# Altium PCB Graviton-RB1.PcbDoc (part 9 of 11)
Units mil, origin at the board's own origin, x right, y up, seen from the top; angles counter-clockwise.
Board outline 7874.02 x 7874.02 mil, 10 copper layers (Top Layer, Internal Plane 1, Signal Layer 1, Internal Plane 2, Signal Layer 2, Signal Layer 3, Internal Plane 3, Signal Layer 4, Internal Plane 4, Bottom Layer), stack 65.914 mil thick; 1299 components, 1517 nets, 7968 pads, 1791 vias.
Unrouted connection lines stored in the file: 4618.
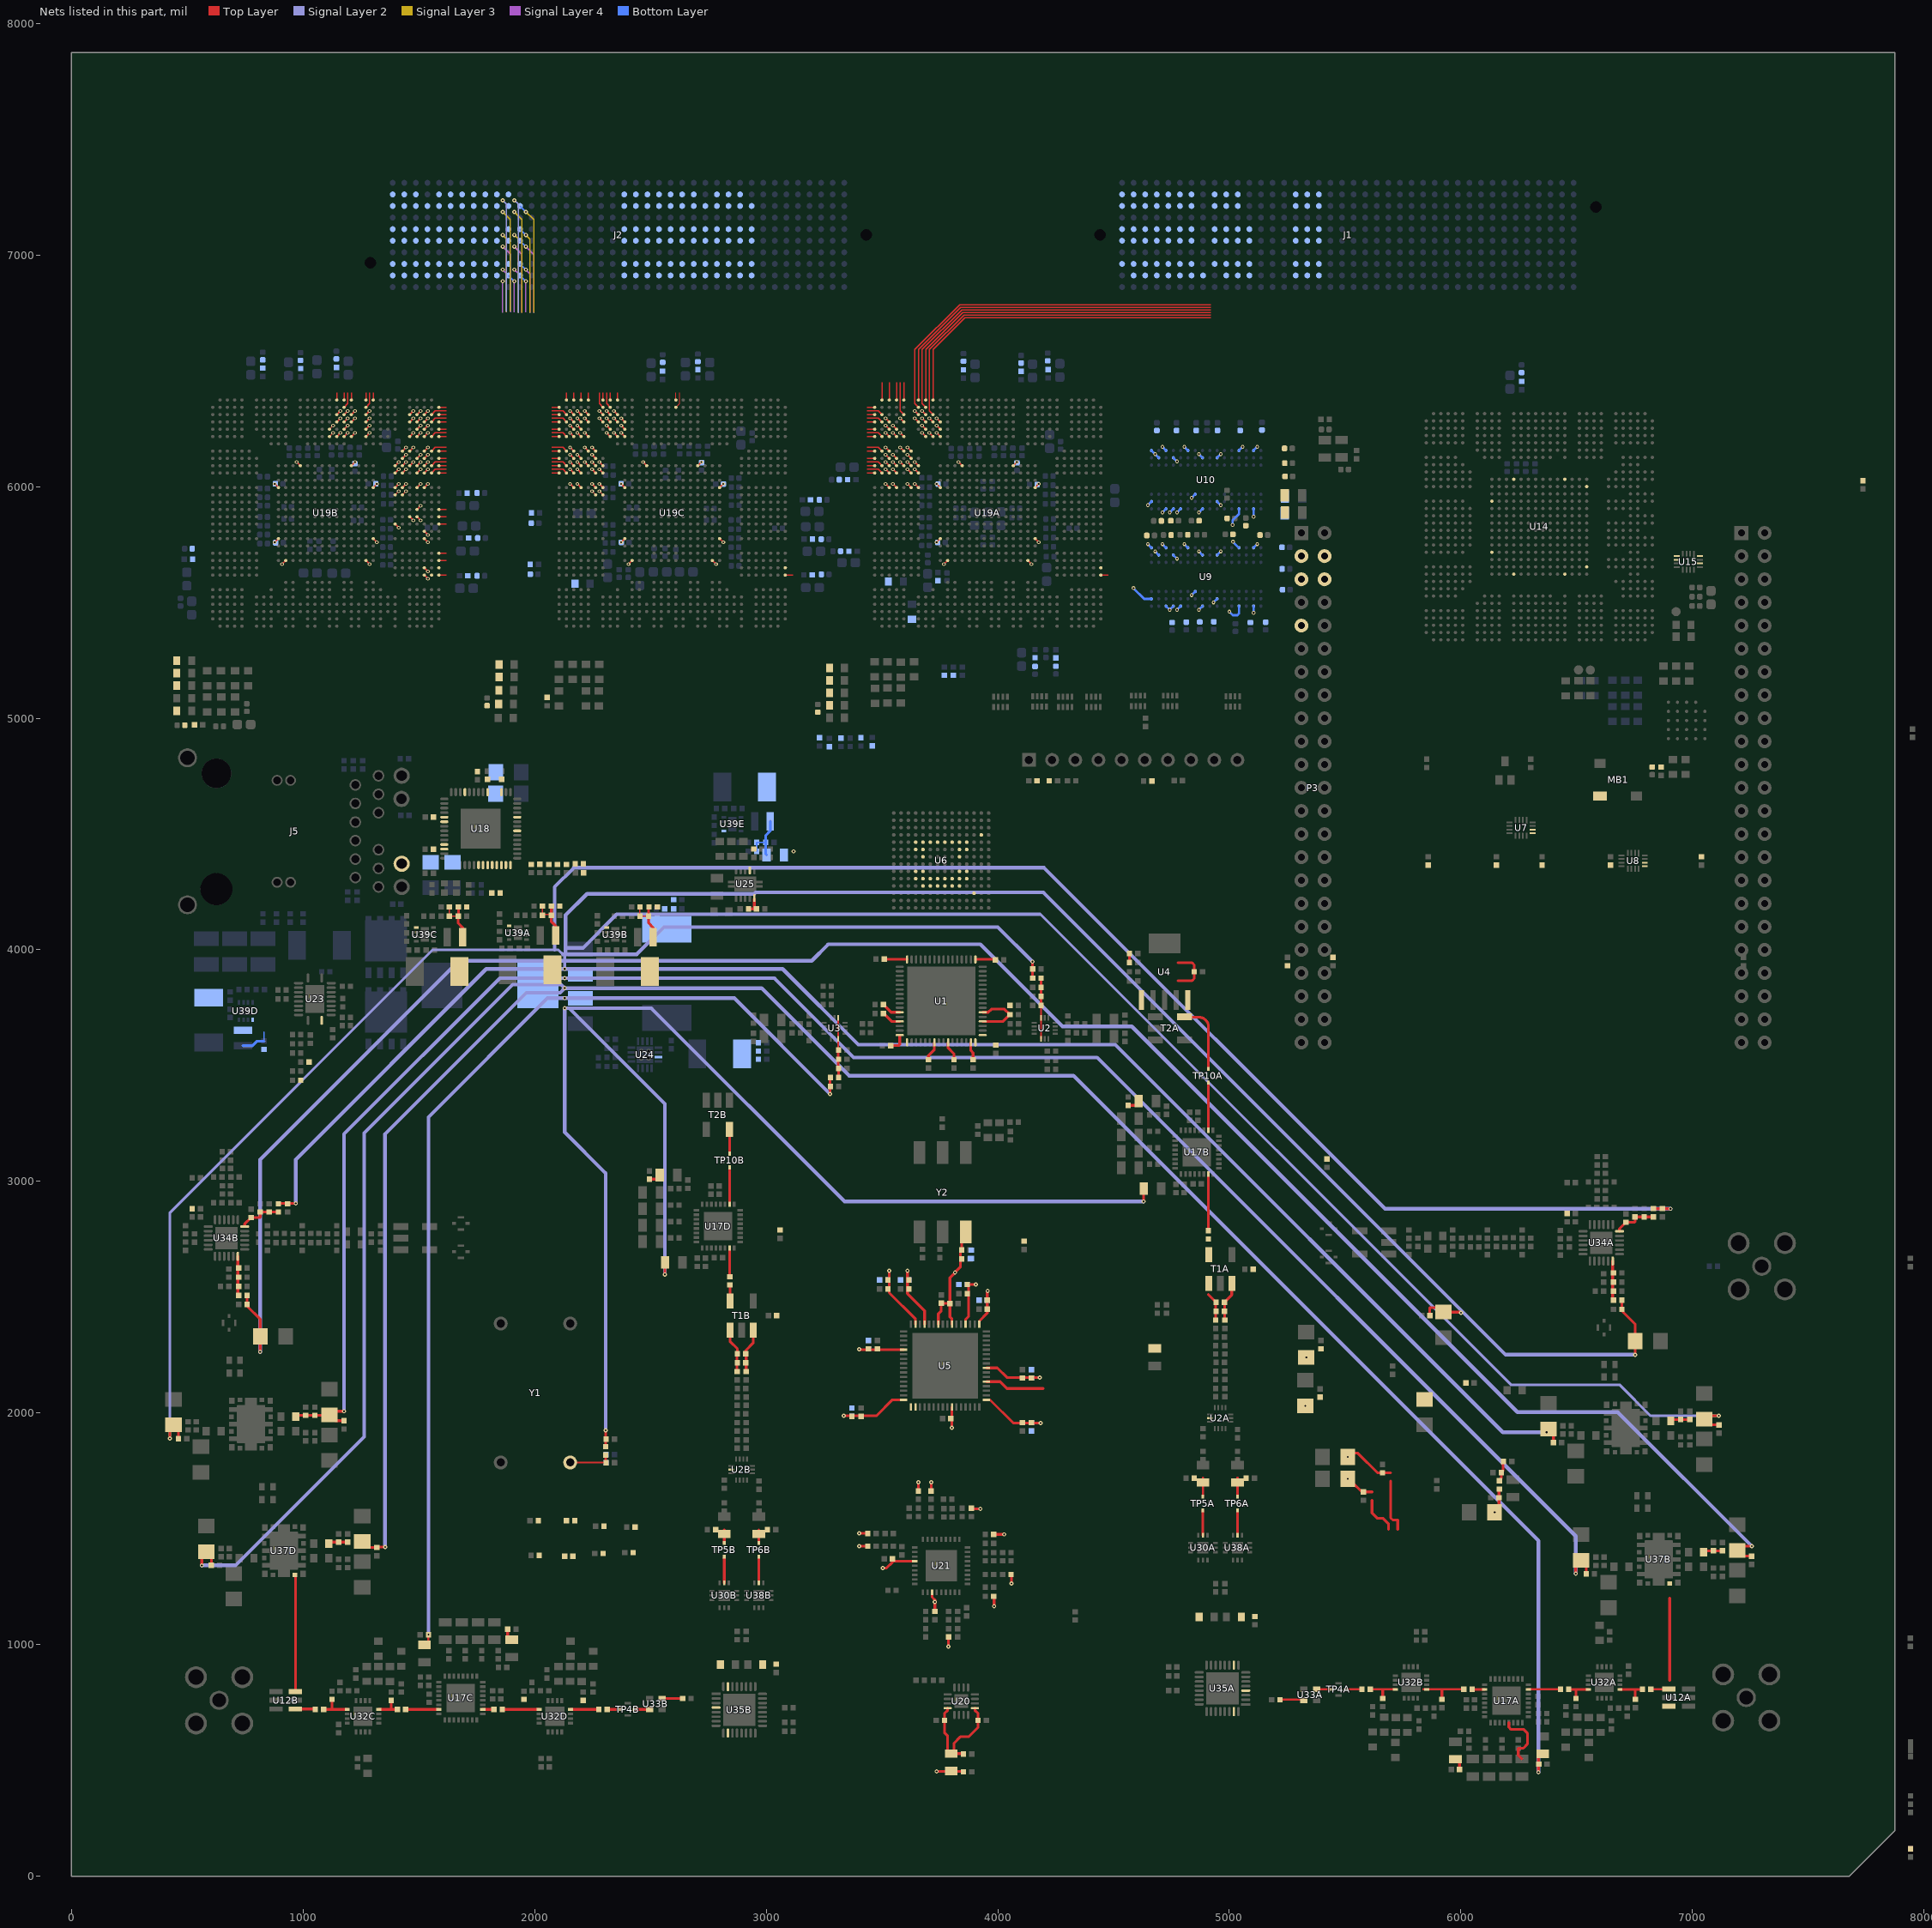
[diagram p17: the nets of this part, all layers, seen from the top]

## Via types
v1: diameter 16, hole 8, Top Layer to Bottom Layer, 1443 vias
v2: diameter 16, hole 8, Top Layer to Bottom Layer, tented top, 173 vias
v3: diameter 18, hole 8, Top Layer to Bottom Layer, 86 vias
v4: diameter 25.98, hole 8, Top Layer to Bottom Layer, tented top, 36 vias
v5: diameter 25.98, hole 12, Top Layer to Bottom Layer, tented top, 36 vias
v6: diameter 23.62, hole 11.81, Top Layer to Bottom Layer, 10 vias
v7: diameter 18, hole 8, Top Layer to Bottom Layer, tented bottom, 5 vias
v8: diameter 16, hole 8, Top Layer to Bottom Layer, tented both sides, 2 vias

## Nets (pads, with @x,y where several pads share a name; then routed paths per layer and width w, separated by ;. In a path a pad name is that pad's centre, name@x,y a point inside that pad or via, vN(x,y) a via of type N, cw(c..) or ccw(c..) an arc to the next point about the centre after c; other vN are vias at no path point) (continued)
P1B.DDRCC.S5: J1.329 U19A.E4 | length 22.3
  Top Layer w5: v1(3547.24,6263.78) U19A.E4@3562.99,6248.03
P1B.DDRCC.S6: J1.332 U19A.F4 | length 22.3
  Top Layer w5: v1(3547.24,6232.28) U19A.F4@3562.99,6216.54
P1B.DDRCC.S7: J1.333 U19A.F5 | length 22.3
  Top Layer w5: v1(3578.74,6232.28) U19A.F5@3594.49,6216.54
P1B.DDRCC.S8: J1.335 U19A.B1 | length 32.1
  Top Layer w4.72: 3436.42,6342.52 U19A.B1@3468.5,6342.52
P1B.DDRCC.S9: J1.336 U19A.C2 | length 70.1
  Top Layer w4.72: 3436.42,6326.77 3484.25,6326.77 U19A.C2@3500,6311.02
P1B.DDRCC.S10: J1.338 U19A.D3 | length 22.3
  Top Layer w5: v1(3515.75,6295.28) U19A.D3@3531.5,6279.53
P1B.DDRCC.S11: J1.339 U19A.D2 | length 70.1
  Top Layer w4.72: 3436.42,6295.28 3484.25,6295.28 U19A.D2@3500,6279.53
P1B.DDRCC.S12: J1.342 U19A.F3 | length 22.3
  Top Layer w5: v1(3515.75,6232.28) U19A.F3@3531.5,6216.54
P1B.DDRCC.S13: J1.343 U19A.E3 | length 22.3
  Top Layer w5: v1(3515.75,6263.78) U19A.E3@3531.5,6248.03
P1B.DDRCC.S14: J1.345 U19A.C1 | length 32.1
  Top Layer w4.72: 3436.42,6311.02 U19A.C1@3468.5,6311.02
P1B.DDRCC.S15: J1.346 U19A.D1 | length 32.1
  Top Layer w4.72: 3436.42,6279.53 U19A.D1@3468.5,6279.53
P1B.DDRCC.S16: J1.348 U19A.F2 | length 70.1
  Top Layer w4.72: 3436.42,6232.28 3484.25,6232.28 U19A.F2@3500,6216.54
P1B.DDRCC.S17: J1.349 U19A.E1 | length 32.1
  Top Layer w4.72: 3436.42,6248.03 U19A.E1@3468.5,6248.03
P1B.DDRCC.S18: J1.352 U19A.F1 | length 32.1
  Top Layer w4.72: 3436.42,6216.54 U19A.F1@3468.5,6216.54
P1B.DDRCC.S19: J1.353 U19A.H1 | length 32.1
  Top Layer w4.72: 3436.42,6153.54 U19A.H1@3468.5,6153.54
P1B.DDRCC.S20: J1.355 U19A.H2 | length 70.1
  Top Layer w4.72: 3436.42,6169.29 3484.25,6169.29 U19A.H2@3500,6153.54
P1B.DDRCC.S21: J1.356 U19A.H3 | length 22.3
  Top Layer w5: v1(3515.75,6169.29) U19A.H3@3531.5,6153.54
P1B.DDRCC.S22: J1.358 U19A.J3 | length 22.3
  Top Layer w5: v1(3515.75,6137.8) U19A.J3@3531.5,6122.05
P1B.DDRCC.S23: J1.359 U19A.K3 | length 22.3
  Top Layer w5: v1(3515.75,6106.3) U19A.K3@3531.5,6090.55
P1B.DDRCC.S24: J1.362 U19A.K2 | length 70.1
  Top Layer w4.72: 3436.42,6106.3 3484.25,6106.3 U19A.K2@3500,6090.55
P1B.DDRCC.S25: J1.363 U19A.J1 | length 32.1
  Top Layer w4.72: 3436.42,6122.05 U19A.J1@3468.5,6122.05
P1B.DDRCC.S26: J1.365 U19A.K1 | length 32.1
  Top Layer w4.72: 3436.42,6090.55 U19A.K1@3468.5,6090.55
P1B.DDRCC.S27: J1.366 U19A.L1 | length 32.1
  Top Layer w4.72: 3436.42,6059.06 U19A.L1@3468.5,6059.06
P1B.DDRCC.S28: J1.368 U19A.L2 | length 70.1
  Top Layer w4.72: 3436.42,6074.8 3484.25,6074.8 U19A.L2@3500,6059.06
P1B.DDRCC.S29: J1.369 U19A.L3 | length 22.3
  Top Layer w5: v1(3515.75,6074.8) U19A.L3@3531.5,6059.06
P1B.DDRCC.S30: J1.372 U19A.J4 | length 22.3
  Top Layer w5: v1(3547.24,6137.8) U19A.J4@3562.99,6122.05
P1B.DDRCC.S31: J1.373 U19A.K4 | length 22.3
  Top Layer w5: v1(3547.24,6106.3) U19A.K4@3562.99,6090.55
P1B.DDRCC.S32: J1.375 U19A.H6 | length 22.3
  Top Layer w5: v1(3610.24,6169.29) U19A.H6@3625.98,6153.54
P1B.DDRCC.S33: J1.376 U19A.H5 | length 22.3
  Top Layer w5: v1(3578.74,6169.29) U19A.H5@3594.49,6153.54
P1B.DDRCC.S34: J1.378 U19A.J6 | length 22.3
  Top Layer w5: v1(3610.24,6137.8) U19A.J6@3625.98,6122.05
P1B.DDRCC.S35: J1.379 U19A.K6 | length 22.3
  Top Layer w5: v1(3610.24,6106.3) U19A.K6@3625.98,6090.55
P1B.DDRCC.S36: J1.382 U19A.K7 | length 22.3
  Top Layer w5: v1(3641.73,6106.3) U19A.K7@3657.48,6090.55
P1B.DDRCC.S37: J1.383 U19A.K5 | length 22.3
  Top Layer w5: v1(3578.74,6106.3) U19A.K5@3594.49,6090.55
P1B.DDRCC.S38: J1.385 U19A.L4 | length 22.3
  Top Layer w5: v1(3547.24,6074.8) U19A.L4@3562.99,6059.06
P1B.DDRCC.S39: J1.386 U19A.N3 | length 22.3
  Top Layer w5: v1(3515.75,6011.81) U19A.N3@3531.5,5996.06
P1B.DDRCC.S40: J1.388 U19A.N4 | length 22.3
  Top Layer w5: v1(3547.24,6011.81) U19A.N4@3562.99,5996.06
P1B.DDRCC.S41: J1.389 U19A.L7 | length 22.3
  Top Layer w5: v1(3641.73,6074.8) U19A.L7@3657.48,6059.06
P1B.DDRCC.S42: J1.392 U19A.L6 | length 22.3
  Top Layer w5: v1(3610.24,6074.8) U19A.L6@3625.98,6059.06
P1B.DDRCC.S43: J1.393 U19A.N6 | length 22.3
  Top Layer w5: v1(3610.24,6011.81) U19A.N6@3625.98,5996.06
P1B.DDRCC.S44: J1.395 U19A.N7 | length 22.3
  Top Layer w5: v1(3641.73,6011.81) U19A.N7@3657.48,5996.06
P1B.DDRCC.S45: J1.396 U19A.C5 | length 145.5
  Top Layer w5: 3578.74,6450 3578.74,6326.77 U19A.C5@3594.49,6311.02
P1B.DDRCC.S46: J1.398 U19A.D5 | length 22.3
  Top Layer w5: v1(3578.74,6295.28) U19A.D5@3594.49,6279.53
P1B.SDRCC.S2: J1.285 U19A.A2 | length 76
  Top Layer w4.72: U19A.A2@3500,6374.02 3500,6450
P1B.SDRCC.S3: J1.286 U19A.A3 | length 76
  Top Layer w4.72: U19A.A3@3531.5,6374.02 3531.5,6450
P1B.SDRCC.S4: J1.288 U19A.A4 | length 76
  Top Layer w4.72: U19A.A4@3562.99,6374.02 3562.99,6450
P1B.SDRCC.S5: J1.289 U19A.A5 | length 76
  Top Layer w4.72: U19A.A5@3594.49,6374.02 3594.49,6450
P1B.SDRCC.S6: J1.292 U19A.D7 | length 22.3
  Top Layer w5: v1(3641.73,6295.28) U19A.D7@3657.48,6279.53
P1B.SDRCC.S7: J1.293 U19A.C7 | length 22.3
  Top Layer w5: v1(3641.73,6326.77) U19A.C7@3657.48,6311.02
P1B.SDRCC.S8: J1.295 U19A.B7 | length 1614.3
  Top Layer w4.72: U19A.B7@3657.48,6342.52 3641.73,6358.27 3641.73,6591.73 3835.68,6785.68 4920,6785.68
P1B.SDRCC.S9: J1.296 U19A.A7 | length 1556
  Top Layer w4.72: U19A.A7@3657.48,6374.02 3657.48,6591.73 3840.29,6774.54 4920,6774.54
P1B.SDRCC.S10: J1.298 U19A.F8 | length 22.3
  Top Layer w5: v1(3673.23,6232.28) U19A.F8@3688.98,6216.54
P1B.SDRCC.S11: J1.299 U19A.E8 | length 22.3
  Top Layer w5: v1(3673.23,6263.78) U19A.E8@3688.98,6248.03
P1B.SDRCC.S12: J1.302 U19A.D8 | length 22.3
  Top Layer w5: v1(3673.23,6295.28) U19A.D8@3688.98,6279.53
P1B.SDRCC.S13: J1.303 U19A.C8 | length 22.3
  Top Layer w5: v1(3673.23,6326.77) U19A.C8@3688.98,6311.02
P1B.SDRCC.S14: J1.305 U19A.B8 | length 1573.6
  Top Layer w4.72: U19A.B8@3688.98,6342.52 3673.23,6358.27 3673.23,6591.73 3844.9,6763.41 4920,6763.41
P1B.SDRCC.S15: J1.306 U19A.A8 | length 1515.2
  Top Layer w4.72: U19A.A8@3688.98,6374.02 3688.98,6591.73 3849.52,6752.27 4920,6752.27
P1B.SDRCC.S16: J1.308 U19A.F9 | length 22.3
  Top Layer w5: v1(3704.72,6232.28) U19A.F9@3720.47,6216.54
P1B.SDRCC.S17: J1.309 U19A.D9 | length 22.3
  Top Layer w5: v1(3704.72,6295.28) U19A.D9@3720.47,6279.53
P1B.SDRCC.S18: J1.312 U19A.C9 | length 1564.4
  Top Layer w5: U19A.C9@3720.47,6311.02 3704.72,6326.77 3704.72,6591.73 3854.13,6741.14 4920,6741.14
P1B.SDRCC.S19: J1.313 U19A.A9 | length 1474.5
  Top Layer w4.72: U19A.A9@3720.47,6374.02 3720.47,6591.73 3858.74,6730 4920,6730
P1B.SDRCC.S20: J1.315 U19A.F10 | length 22.3
  Top Layer w5: v1(3736.22,6232.28) U19A.F10@3751.97,6216.54
P1B.SDRCC.S21: J1.316 U19A.E10 | length 22.3
  Top Layer w5: v1(3736.22,6263.78) U19A.E10@3751.97,6248.03
P1B.SDRCC.S22: J1.318 U19A.D10 | length 22.3
  Top Layer w5: v1(3736.22,6295.28) U19A.D10@3751.97,6279.53
P2A-DDRCCCLK_N: J2.43 U19B.P26 | length 22.3
  Top Layer w2.99: U19B.P26@1397.64,5964.57 v1(1413.39,5980.32)
P2A-DDRCCCLK_P: J2.42 U19B.P27 | length 22.3
  Top Layer w2.99: U19B.P27@1429.13,5964.57 v1(1444.88,5980.32)
P2A-SDRCCCLK_N: J2.3 U19B.F17 | length 22.3
  Top Layer w2.99: U19B.F17@1114.17,6216.54 v1(1129.92,6232.28)
P2A-SDRCCCLK_P: J2.2 U19B.E17 | length 22.3
  Top Layer w2.99: U19B.E17@1114.17,6248.03 v1(1129.92,6263.78)
P2A.DDRCC.S2: J2.45 U19B.N26 | length 22.3
  Top Layer w5: U19B.N26@1397.64,5996.06 v1(1413.39,6011.81)
P2A.DDRCC.S3: J2.46 U19B.N27 | length 22.3
  Top Layer w5: U19B.N27@1429.13,5996.06 v1(1444.88,6011.81)
P2A.DDRCC.S4: J2.48 U19B.L27 | length 22.3
  Top Layer w5: U19B.L27@1429.13,6059.06 v1(1444.88,6074.8)
P2A.DDRCC.S5: J2.49 U19B.L26 | length 22.3
  Top Layer w5: U19B.L26@1397.64,6059.06 v1(1413.39,6074.8)
P2A.DDRCC.S6: J2.59 U19B.N29 | length 22.3
  Top Layer w5: U19B.N29@1492.13,5996.06 v1(1507.87,6011.81)
P2A.DDRCC.S7: J2.58 U19B.N30 | length 22.3
  Top Layer w5: U19B.N30@1523.62,5996.06 v1(1539.37,6011.81)
P2A.DDRCC.S8: J2.56 U19B.L29 | length 22.3
  Top Layer w5: U19B.L29@1492.13,6059.06 v1(1507.87,6074.8)
P2A.DDRCC.S9: J2.55 U19B.K28 | length 22.3
  Top Layer w5: U19B.K28@1460.63,6090.55 v1(1476.38,6106.3)
P2A.DDRCC.S10: J2.53 U19B.K26 | length 22.3
  Top Layer w5: U19B.K26@1397.64,6090.55 v1(1413.39,6106.3)
P2A.DDRCC.S11: J2.52 U19B.K27 | length 22.3
  Top Layer w5: U19B.K27@1429.13,6090.55 v1(1444.88,6106.3)
P2A.DDRCC.S12: J2.62 U19B.J27 | length 22.3
  Top Layer w5: U19B.J27@1429.13,6122.05 v1(1444.88,6137.8)
P2A.DDRCC.S13: J2.63 U19B.H28 | length 22.3
  Top Layer w5: U19B.H28@1460.63,6153.54 v1(1476.38,6169.29)
P2A.DDRCC.S14: J2.65 U19B.H27 | length 22.3
  Top Layer w5: U19B.H27@1429.13,6153.54 v1(1444.88,6169.29)
P2A.DDRCC.S15: J2.66 U19B.K29 | length 22.3
  Top Layer w5: U19B.K29@1492.13,6090.55 v1(1507.87,6106.3)
P2A.DDRCC.S16: J2.68 U19B.J29 | length 22.3
  Top Layer w5: U19B.J29@1492.13,6122.05 v1(1507.87,6137.8)
P2A.DDRCC.S17: J2.69 U19B.L30 | length 22.3
  Top Layer w5: U19B.L30@1523.62,6059.06 v1(1539.37,6074.8)
P2A.DDRCC.S18: J2.72 U19B.L31 | length 70.1
  Top Layer w4.72: U19B.L31@1555.12,6059.06 1570.87,6074.8 1618.7,6074.8
P2A.DDRCC.S19: J2.73 U19B.L32 | length 32.1
  Top Layer w4.72: U19B.L32@1586.61,6059.06 1618.7,6059.06
P2A.DDRCC.S20: J2.75 U19B.K32 | length 32.1
  Top Layer w4.72: U19B.K32@1586.61,6090.55 1618.7,6090.55
P2A.DDRCC.S21: J2.76 U19B.J32 | length 32.1
  Top Layer w4.72: U19B.J32@1586.61,6122.05 1618.7,6122.05
P2A.DDRCC.S22: J2.78 U19B.K31 | length 70.1
  Top Layer w4.72: U19B.K31@1555.12,6090.55 1570.87,6106.3 1618.7,6106.3
P2A.DDRCC.S23: J2.79 U19B.K30 | length 22.3
  Top Layer w5: U19B.K30@1523.62,6090.55 v1(1539.37,6106.3)
P2A.DDRCC.S24: J2.82 U19B.J30 | length 22.3
  Top Layer w5: U19B.J30@1523.62,6122.05 v1(1539.37,6137.8)
P2A.DDRCC.S25: J2.83 U19B.H30 | length 22.3
  Top Layer w5: U19B.H30@1523.62,6153.54 v1(1539.37,6169.29)
P2A.DDRCC.S26: J2.85 U19B.H31 | length 70.1
  Top Layer w4.72: U19B.H31@1555.12,6153.54 1570.87,6169.29 1618.7,6169.29
P2A.DDRCC.S27: J2.86 U19B.H32 | length 32.1
  Top Layer w4.72: U19B.H32@1586.61,6153.54 1618.7,6153.54
P2A.DDRCC.S28: J2.88 U19B.F32 | length 32.1
  Top Layer w4.72: U19B.F32@1586.61,6216.54 1618.7,6216.54
P2A.DDRCC.S29: J2.89 U19B.E32 | length 32.1
  Top Layer w4.72: U19B.E32@1586.61,6248.03 1618.7,6248.03
P2A.DDRCC.S30: J2.92 U19B.F31 | length 204.8
  Top Layer w4.72: U19B.F31@1555.12,6216.54 1570.87,6232.28 1618.7,6232.28
  Signal Layer 4 w5.51: 1862.2,6751.97 v3(1862.2,6886.61)
P2A.DDRCC.S31: J2.93 U19B.D32 | length 222.7
  Top Layer w4.72: U19B.D32@1586.61,6279.53 1618.7,6279.53
  Signal Layer 4 w5.51: v3(1862.2,6936.61) 1878.96,6919.86 1878.96,6752.98
P2A.DDRCC.S32: J2.95 U19B.C32 | length 328.9
  Top Layer w4.72: U19B.C32@1586.61,6311.02 1618.7,6311.02
  Signal Layer 4 w4.72: v3(1862.2,7036.61) 1895.84,7002.98 1895.84,6753.76
P2A.DDRCC.S33: J2.96 U19B.E30 | length 363.1
  Top Layer w5: U19B.E30@1523.62,6248.03 v1(1539.37,6263.78)
  Signal Layer 3 w4.72: v3(1862.2,7086.61) 1878.57,7070.25 1878.57,6752.58
P2A.DDRCC.S34: J2.98 U19B.F30 | length 466.4
  Top Layer w5: U19B.F30@1523.62,6216.54 v1(1539.37,6232.28)
  Signal Layer 3 w5.51: v3(1862.2,7186.61) 1895.45,7153.37 1895.45,6756.3
P2A.DDRCC.S35: J2.99 U19B.D31 | length 557.8
  Top Layer w4.72: U19B.D31@1555.12,6279.53 1570.87,6295.28 1618.7,6295.28
  Signal Layer 2 w5.51: v3(1862.2,7236.61) 1878.96,7219.86 1878.96,6755.91
P2A.DDRCC.S36: J2.102 U19B.D30 | length 191.1
  Top Layer w5: U19B.D30@1523.62,6279.53 v1(1539.37,6295.28)
  Signal Layer 4 w5.51: 1912.2,6753.15 v3(1912.2,6886.61)
  Bottom Layer w4.72: J2.102@1887.2,6911.61 v3(1912.2,6886.61)
P2A.DDRCC.S37: J2.103 U19B.C31 | length 261.8
  Top Layer w4.72: U19B.C31@1555.12,6311.02 1570.87,6326.77 1618.7,6326.77
  Signal Layer 4 w5.51: v3(1912.2,6936.61) 1929.13,6919.68 1929.13,6751.97
P2A.DDRCC.S38: J2.105 U19B.B32 | length 330.3
  Top Layer w4.72: U19B.B32@1586.61,6342.52 1618.7,6342.52
  Signal Layer 4 w5.51: v3(1912.2,7036.61) 1944.88,7003.94 1944.88,6751.97
P2A.DDRCC.S39: J2.106 U19B.F28 | length 363.9
  Top Layer w5: U19B.F28@1460.63,6216.54 v1(1476.38,6232.28)
  Signal Layer 3 w5.51: v3(1912.2,7086.61) 1929.13,7069.68 1929.13,6751.97
P2A.DDRCC.S40: J2.108 U19B.F29 | length 470.1
  Top Layer w5: U19B.F29@1492.13,6216.54 v1(1507.87,6232.28)
  Signal Layer 3 w5.51: v3(1912.2,7186.61) 1944.64,7154.18 1944.64,6752.21
P2A.DDRCC.S41: J2.109 U19B.E29 | length 513.9
  Top Layer w5: U19B.E29@1492.13,6248.03 v1(1507.87,6263.78)
  Signal Layer 2 w5.51: v3(1912.2,7236.61) 1929.13,7219.68 1929.13,6751.97
P2A.DDRCC.S42: J2.112 U19B.D29 | length 191.4
  Top Layer w5: U19B.D29@1492.13,6279.53 v1(1507.87,6295.28)
  Signal Layer 4 w5.51: 1962.2,6752.8 v3(1962.2,6886.61)
  Bottom Layer w4.72: J2.112@1937.2,6911.61 v3(1962.2,6886.61)
P2A.DDRCC.S43: J2.113 U19B.C30 | length 251.5
  Top Layer w5: U19B.C30@1523.62,6311.02 v1(1539.37,6326.77)
  Signal Layer 4 w5.51: v3(1962.2,6936.61) 1979.91,6918.91 1979.91,6750.09
  Bottom Layer w4.72: J2.113@1937.2,6961.61 v3(1962.2,6936.61)
P2A.DDRCC.S44: J2.115 U19B.C29 | length 358
  Top Layer w5: U19B.C29@1492.13,6311.02 v1(1507.87,6326.77)
  Signal Layer 4 w5.51: v3(1962.2,7036.61) 1996.41,7002.41 1996.41,6750.41
  Bottom Layer w4.72: J2.115@1937.2,7061.61 v3(1962.2,7036.61)
P2A.DDRCC.S45: J2.116 U19B.D28 | length 399.4
  Top Layer w5: U19B.D28@1460.63,6279.53 v1(1476.38,6295.28)
  Signal Layer 3 w5.51: v3(1962.2,7086.61) 1980.31,7068.5 1980.31,6752.37
  Bottom Layer w4.72: J2.116@1937.2,7111.61 v3(1962.2,7086.61)
P2A.DDRCC.S46: J2.118 U19B.C28 | length 507.5
  Top Layer w5: U19B.C28@1460.63,6311.02 v1(1476.38,6326.77)
  Signal Layer 3 w5.51: v3(1962.2,7186.61) 1996.06,7152.76 1996.06,6750.76
  Bottom Layer w4.72: J2.118@1937.2,7211.61 v3(1962.2,7186.61)
P2A.SDRCC.S2: J2.5 U19B.A18 | length 32.1
  Top Layer w4.72: U19B.A18@1145.67,6374.02 1145.67,6406.1
P2A.SDRCC.S3: J2.6 U19B.C18 | length 22.3
  Top Layer w5: U19B.C18@1145.67,6311.02 v1(1161.42,6326.77)
P2A.SDRCC.S4: J2.8 U19B.D18 | length 22.3
  Top Layer w5: U19B.D18@1145.67,6279.53 v1(1161.42,6295.28)
P2A.SDRCC.S5: J2.9 U19B.F18 | length 22.3
  Top Layer w5: U19B.F18@1145.67,6216.54 v1(1161.42,6232.28)
P2A.SDRCC.S6: J2.12 U19B.A19 | length 32.1
  Top Layer w4.72: U19B.A19@1177.17,6374.02 1177.17,6406.1
P2A.SDRCC.S7: J2.13 U19B.B19 | length 70.1
  Top Layer w4.72: U19B.B19@1177.17,6342.52 1192.91,6358.27 1192.91,6406.1
P2A.SDRCC.S8: J2.15 U19B.C19 | length 22.3
  Top Layer w5: U19B.C19@1177.17,6311.02 v1(1192.91,6326.77)
P2A.SDRCC.S9: J2.16 U19B.D19 | length 22.3
  Top Layer w5: U19B.D19@1177.17,6279.53 v1(1192.91,6295.28)
P2A.SDRCC.S10: J2.18 U19B.E19 | length 22.3
  Top Layer w5: U19B.E19@1177.17,6248.03 v1(1192.91,6263.78)
P2A.SDRCC.S11: J2.19 U19B.F19 | length 22.3
  Top Layer w5: U19B.F19@1177.17,6216.54 v1(1192.91,6232.28)
P2A.SDRCC.S12: J2.22 U19B.A20 | length 32.1
  Top Layer w4.72: U19B.A20@1208.66,6374.02 1208.66,6406.1
P2A.SDRCC.S13: J2.23 U19B.C20 | length 22.3
  Top Layer w5: U19B.C20@1208.66,6311.02 v1(1224.41,6326.77)
P2A.SDRCC.S14: J2.25 U19B.D20 | length 22.3
  Top Layer w5: U19B.D20@1208.66,6279.53 v1(1224.41,6295.28)
P2A.SDRCC.S15: J2.26 U19B.F20 | length 22.3
  Top Layer w5: U19B.F20@1208.66,6216.54 v1(1224.41,6232.28)
P2A.SDRCC.S16: J2.28 U19B.A22 | length 32.1
  Top Layer w4.72: U19B.A22@1271.65,6374.02 1271.65,6406.1
P2A.SDRCC.S17: J2.29 U19B.B22 | length 70.1
  Top Layer w4.72: U19B.B22@1271.65,6342.52 1287.4,6358.27 1287.4,6406.1
P2A.SDRCC.S18: J2.32 U19B.C22 | length 22.3
  Top Layer w5: U19B.C22@1271.65,6311.02 v1(1287.4,6326.77)
P2A.SDRCC.S19: J2.33 U19B.D22 | length 22.3
  Top Layer w5: U19B.D22@1271.65,6279.53 v1(1287.4,6295.28)
P2A.SDRCC.S20: J2.35 U19B.E22 | length 22.3
  Top Layer w5: U19B.E22@1271.65,6248.03 v1(1287.4,6263.78)
P2A.SDRCC.S21: J2.36 U19B.F22 | length 22.3
  Top Layer w5: U19B.F22@1271.65,6216.54 v1(1287.4,6232.28)
P2A.SDRCC.S22: J2.38 U19B.A23 | length 32.1
  Top Layer w4.72: U19B.A23@1303.15,6374.02 1303.15,6406.1
P2B-DDRCCCLK_N: J2.203 U19C.P7 | length 22.3
  Top Layer w2.99: v1(2279.53,5980.32) U19C.P7@2295.28,5964.57
P2B-DDRCCCLK_P: J2.202 U19C.P6 | length 22.3
  Top Layer w2.99: v1(2248.03,5980.32) U19C.P6@2263.78,5964.57
P2B-SDRCCCLK_N: J2.283 U19C.B17 | length 70.1
  Top Layer w2.99: U19C.B17@2610.24,6342.52 2625.98,6358.27 2625.98,6406.1
P2B-SDRCCCLK_P: J2.282 U19C.A17 | length 32.1
  Top Layer w2.99: U19C.A17@2610.24,6374.02 2610.24,6406.1
P2B.DDRCC.S2: J2.205 U19C.C4 | length 22.3
  Top Layer w5: v1(2185.04,6326.77) U19C.C4@2200.79,6311.02
P2B.DDRCC.S3: J2.206 U19C.C3 | length 22.3
  Top Layer w5: v1(2153.54,6326.77) U19C.C3@2169.29,6311.02
P2B.DDRCC.S4: J2.208 U19C.D4 | length 22.3
  Top Layer w5: v1(2185.04,6295.28) U19C.D4@2200.79,6279.53
P2B.DDRCC.S5: J2.209 U19C.E4 | length 22.3
  Top Layer w5: v1(2185.04,6263.78) U19C.E4@2200.79,6248.03
P2B.DDRCC.S6: J2.212 U19C.F4 | length 22.3
  Top Layer w5: v1(2185.04,6232.28) U19C.F4@2200.79,6216.54
P2B.DDRCC.S7: J2.213 U19C.F5 | length 22.3
  Top Layer w5: v1(2216.54,6232.28) U19C.F5@2232.28,6216.54
P2B.DDRCC.S8: J2.215 U19C.B1 | length 32.1
  Top Layer w4.72: 2074.21,6342.52 U19C.B1@2106.3,6342.52
P2B.DDRCC.S9: J2.216 U19C.C2 | length 70.1
  Top Layer w4.72: 2074.21,6326.77 2122.05,6326.77 U19C.C2@2137.8,6311.02
P2B.DDRCC.S10: J2.218 U19C.D3 | length 22.3
  Top Layer w5: v1(2153.54,6295.28) U19C.D3@2169.29,6279.53
P2B.DDRCC.S11: J2.219 U19C.D2 | length 70.1
  Top Layer w4.72: 2074.21,6295.28 2122.05,6295.28 U19C.D2@2137.8,6279.53
P2B.DDRCC.S12: J2.222 U19C.F3 | length 22.3
  Top Layer w5: v1(2153.54,6232.28) U19C.F3@2169.29,6216.54
P2B.DDRCC.S13: J2.223 U19C.E3 | length 22.3
  Top Layer w5: v1(2153.54,6263.78) U19C.E3@2169.29,6248.03
P2B.DDRCC.S14: J2.225 U19C.C1 | length 32.1
  Top Layer w4.72: 2074.21,6311.02 U19C.C1@2106.3,6311.02
P2B.DDRCC.S15: J2.226 U19C.D1 | length 32.1
  Top Layer w4.72: 2074.21,6279.53 U19C.D1@2106.3,6279.53
P2B.DDRCC.S16: J2.228 U19C.F2 | length 70.1
  Top Layer w4.72: 2074.21,6232.28 2122.05,6232.28 U19C.F2@2137.8,6216.54
P2B.DDRCC.S17: J2.229 U19C.E1 | length 32.1
  Top Layer w4.72: 2074.21,6248.03 U19C.E1@2106.3,6248.03
P2B.DDRCC.S18: J2.232 U19C.F1 | length 32.1
  Top Layer w4.72: 2074.21,6216.54 U19C.F1@2106.3,6216.54
P2B.DDRCC.S19: J2.233 U19C.H1 | length 32.1
  Top Layer w4.72: 2074.21,6153.54 U19C.H1@2106.3,6153.54
P2B.DDRCC.S20: J2.235 U19C.H2 | length 70.1
  Top Layer w4.72: 2074.21,6169.29 2122.05,6169.29 U19C.H2@2137.8,6153.54
P2B.DDRCC.S21: J2.236 U19C.H3 | length 22.3
  Top Layer w5: v1(2153.54,6169.29) U19C.H3@2169.29,6153.54
P2B.DDRCC.S22: J2.238 U19C.J3 | length 22.3
  Top Layer w5: v1(2153.54,6137.8) U19C.J3@2169.29,6122.05
P2B.DDRCC.S23: J2.239 U19C.K3 | length 22.3
  Top Layer w5: v1(2153.54,6106.3) U19C.K3@2169.29,6090.55
P2B.DDRCC.S24: J2.242 U19C.K2 | length 70.1
  Top Layer w4.72: 2074.21,6106.3 2122.05,6106.3 U19C.K2@2137.8,6090.55
P2B.DDRCC.S25: J2.243 U19C.J1 | length 32.1
  Top Layer w4.72: 2074.21,6122.05 U19C.J1@2106.3,6122.05
P2B.DDRCC.S26: J2.245 U19C.K1 | length 32.1
  Top Layer w4.72: 2074.21,6090.55 U19C.K1@2106.3,6090.55
P2B.DDRCC.S27: J2.246 U19C.L1 | length 32.1
  Top Layer w4.72: 2074.21,6059.06 U19C.L1@2106.3,6059.06
P2B.DDRCC.S28: J2.248 U19C.L2 | length 70.1
  Top Layer w4.72: 2074.21,6074.8 2122.05,6074.8 U19C.L2@2137.8,6059.06
P2B.DDRCC.S29: J2.249 U19C.L3 | length 22.3
  Top Layer w5: v1(2153.54,6074.8) U19C.L3@2169.29,6059.06
P2B.DDRCC.S30: J2.252 U19C.J4 | length 22.3
  Top Layer w5: v1(2185.04,6137.8) U19C.J4@2200.79,6122.05
P2B.DDRCC.S31: J2.253 U19C.K4 | length 22.3
  Top Layer w5: v1(2185.04,6106.3) U19C.K4@2200.79,6090.55
P2B.DDRCC.S32: J2.255 U19C.H6 | length 22.3
  Top Layer w5: v1(2248.03,6169.29) U19C.H6@2263.78,6153.54
P2B.DDRCC.S33: J2.256 U19C.H5 | length 22.3
  Top Layer w5: v1(2216.54,6169.29) U19C.H5@2232.28,6153.54
P2B.DDRCC.S34: J2.258 U19C.J6 | length 22.3
  Top Layer w5: v1(2248.03,6137.8) U19C.J6@2263.78,6122.05
P2B.DDRCC.S35: J2.259 U19C.K6 | length 22.3
  Top Layer w5: v1(2248.03,6106.3) U19C.K6@2263.78,6090.55
P2B.DDRCC.S36: J2.262 U19C.K7 | length 22.3